# Altium PCB FlatSat Half 2.PcbDoc (part 1 of 9) (continued)
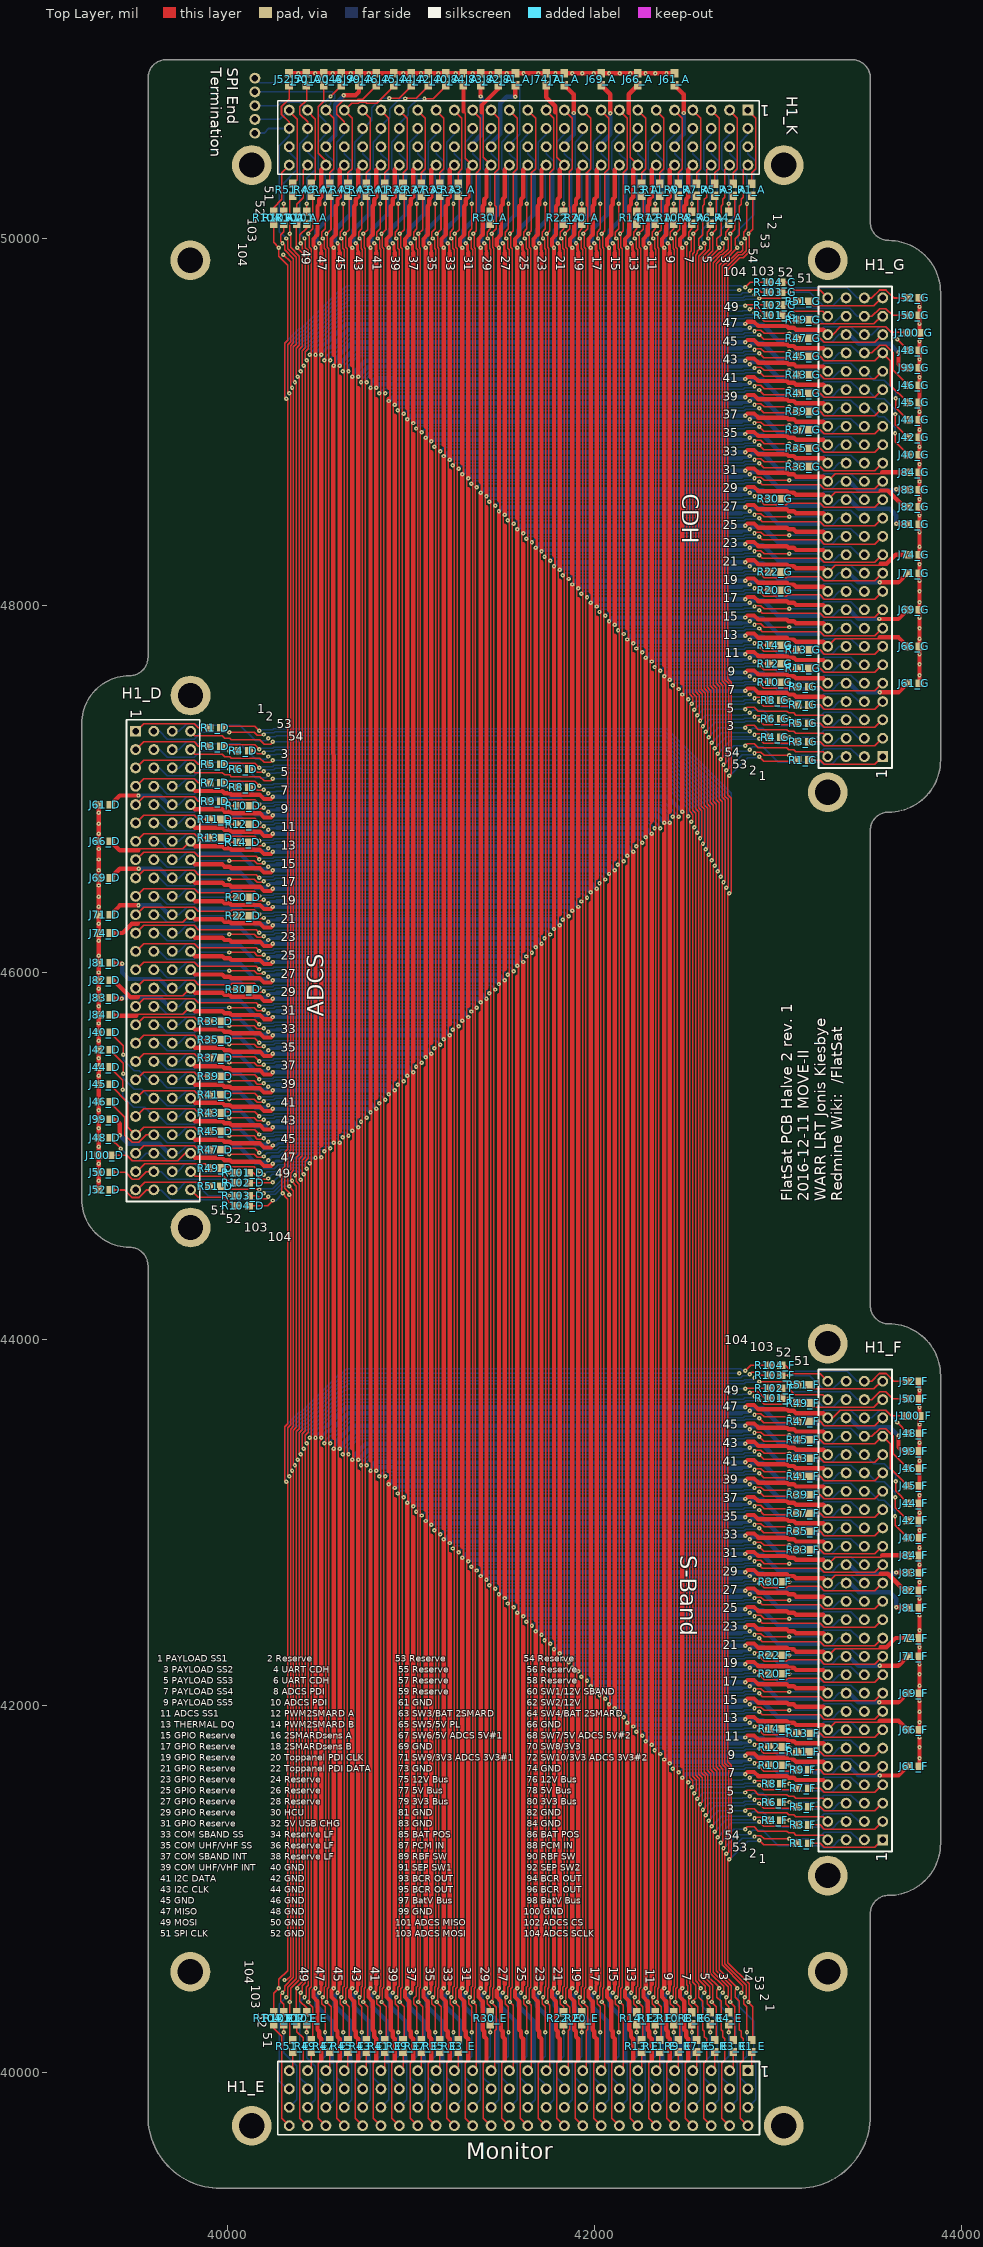
[diagram p0: Top Layer view]
## Design rules (kind name [scope] priority, off if disabled: settings) (continued)
Clearance "Schematic Clearance Constraint_924" [InNet('I2C_CLK')] p156: gap=8
Clearance "Schematic Clearance Constraint_923" [InNet('I2C_CLK')] p157: gap=8
Clearance "Schematic Clearance Constraint_922" [InNet('I2C_CLK')] p158: gap=8
Clearance "Schematic Clearance Constraint_921" [InNet('I2C_CLK')] p159: gap=8
Clearance "Schematic Clearance Constraint_920" [InNet('I2C_CLK')] p160: gap=8
Clearance "Schematic Clearance Constraint_919" [InNet('HCU')] p161: gap=8
Clearance "Schematic Clearance Constraint_918" [InNet('HCU')] p162: gap=8
Clearance "Schematic Clearance Constraint_917" [InNet('HCU')] p163: gap=8
Clearance "Schematic Clearance Constraint_916" [InNet('HCU')] p164: gap=8
Clearance "Schematic Clearance Constraint_915" [InNet('HCU')] p165: gap=8
Clearance "Schematic Clearance Constraint_914" [InNet('HCU')] p166: gap=8
Clearance "Schematic Clearance Constraint_913" [InNet('HCU')] p167: gap=8
Clearance "Schematic Clearance Constraint_912" [InNet('HCU')] p168: gap=8
Clearance "Schematic Clearance Constraint_911" [InNet('GPIO_RESERVE_15')] p169: gap=8
Clearance "Schematic Clearance Constraint_910" [InNet('GPIO_RESERVE_15')] p170: gap=8
Clearance "Schematic Clearance Constraint_909" [InNet('GPIO_RESERVE_15')] p171: gap=8
Clearance "Schematic Clearance Constraint_908" [InNet('GPIO_RESERVE_15')] p172: gap=8
Clearance "Schematic Clearance Constraint_907" [InNet('GPIO_RESERVE_15')] p173: gap=8
Clearance "Schematic Clearance Constraint_906" [InNet('GPIO_RESERVE_15')] p174: gap=8
Clearance "Schematic Clearance Constraint_905" [InNet('GPIO_RESERVE_15')] p175: gap=8
Clearance "Schematic Clearance Constraint_904" [InNet('GPIO_RESERVE_15')] p176: gap=8
Clearance "Schematic Clearance Constraint_903" [InNet('GPIO_RESERVE_14')] p177: gap=8
Clearance "Schematic Clearance Constraint_902" [InNet('GPIO_RESERVE_14')] p178: gap=8
Clearance "Schematic Clearance Constraint_901" [InNet('GPIO_RESERVE_14')] p179: gap=8
Clearance "Schematic Clearance Constraint_900" [InNet('GPIO_RESERVE_14')] p180: gap=8
Clearance "Schematic Clearance Constraint_899" [InNet('GPIO_RESERVE_14')] p181: gap=8
Clearance "Schematic Clearance Constraint_898" [InNet('GPIO_RESERVE_14')] p182: gap=8
Clearance "Schematic Clearance Constraint_897" [InNet('GPIO_RESERVE_14')] p183: gap=8
Clearance "Schematic Clearance Constraint_896" [InNet('GPIO_RESERVE_14')] p184: gap=8
Clearance "Schematic Clearance Constraint_895" [InNet('GPIO_RESERVE_13')] p185: gap=8
Clearance "Schematic Clearance Constraint_894" [InNet('GPIO_RESERVE_13')] p186: gap=8
Clearance "Schematic Clearance Constraint_893" [InNet('GPIO_RESERVE_13')] p187: gap=8
Clearance "Schematic Clearance Constraint_892" [InNet('GPIO_RESERVE_13')] p188: gap=8
Clearance "Schematic Clearance Constraint_891" [InNet('GPIO_RESERVE_13')] p189: gap=8
Clearance "Schematic Clearance Constraint_890" [InNet('GPIO_RESERVE_13')] p190: gap=8
Clearance "Schematic Clearance Constraint_889" [InNet('GPIO_RESERVE_13')] p191: gap=8
Clearance "Schematic Clearance Constraint_888" [InNet('GPIO_RESERVE_13')] p192: gap=8
Clearance "Schematic Clearance Constraint_887" [InNet('GPIO_RESERVE_12')] p193: gap=8
Clearance "Schematic Clearance Constraint_886" [InNet('GPIO_RESERVE_12')] p194: gap=8
Clearance "Schematic Clearance Constraint_885" [InNet('GPIO_RESERVE_12')] p195: gap=8
Clearance "Schematic Clearance Constraint_884" [InNet('GPIO_RESERVE_12')] p196: gap=8
Clearance "Schematic Clearance Constraint_883" [InNet('GPIO_RESERVE_12')] p197: gap=8
Clearance "Schematic Clearance Constraint_882" [InNet('GPIO_RESERVE_12')] p198: gap=8
Clearance "Schematic Clearance Constraint_881" [InNet('GPIO_RESERVE_12')] p199: gap=8
Clearance "Schematic Clearance Constraint_880" [InNet('GPIO_RESERVE_12')] p200: gap=8
Clearance "Schematic Clearance Constraint_879" [InNet('GPIO_RESERVE_11')] p201: gap=8
Clearance "Schematic Clearance Constraint_878" [InNet('GPIO_RESERVE_11')] p202: gap=8
Clearance "Schematic Clearance Constraint_877" [InNet('GPIO_RESERVE_11')] p203: gap=8
Clearance "Schematic Clearance Constraint_876" [InNet('GPIO_RESERVE_11')] p204: gap=8
Clearance "Schematic Clearance Constraint_875" [InNet('GPIO_RESERVE_11')] p205: gap=8
Clearance "Schematic Clearance Constraint_874" [InNet('GPIO_RESERVE_11')] p206: gap=8
Clearance "Schematic Clearance Constraint_873" [InNet('GPIO_RESERVE_11')] p207: gap=8
Clearance "Schematic Clearance Constraint_872" [InNet('GPIO_RESERVE_11')] p208: gap=8
Clearance "Schematic Clearance Constraint_871" [InNet('GPIO_RESERVE_10')] p209: gap=8
Clearance "Schematic Clearance Constraint_870" [InNet('GPIO_RESERVE_10')] p210: gap=8
Clearance "Schematic Clearance Constraint_869" [InNet('GPIO_RESERVE_10')] p211: gap=8
Clearance "Schematic Clearance Constraint_868" [InNet('GPIO_RESERVE_10')] p212: gap=8
Clearance "Schematic Clearance Constraint_867" [InNet('GPIO_RESERVE_10')] p213: gap=8
Clearance "Schematic Clearance Constraint_866" [InNet('GPIO_RESERVE_10')] p214: gap=8
Clearance "Schematic Clearance Constraint_865" [InNet('GPIO_RESERVE_10')] p215: gap=8
Clearance "Schematic Clearance Constraint_864" [InNet('GPIO_RESERVE_10')] p216: gap=8
Clearance "Schematic Clearance Constraint_863" [InNet('GPIO_RESERVE_9')] p217: gap=8
Clearance "Schematic Clearance Constraint_862" [InNet('GPIO_RESERVE_9')] p218: gap=8
Clearance "Schematic Clearance Constraint_861" [InNet('GPIO_RESERVE_9')] p219: gap=8
Clearance "Schematic Clearance Constraint_860" [InNet('GPIO_RESERVE_9')] p220: gap=8
Clearance "Schematic Clearance Constraint_859" [InNet('GPIO_RESERVE_9')] p221: gap=8
Clearance "Schematic Clearance Constraint_858" [InNet('GPIO_RESERVE_9')] p222: gap=8
Clearance "Schematic Clearance Constraint_857" [InNet('GPIO_RESERVE_9')] p223: gap=8
Clearance "Schematic Clearance Constraint_856" [InNet('GPIO_RESERVE_9')] p224: gap=8
Clearance "Schematic Clearance Constraint_855" [InNet('GPIO_RESERVE_8')] p225: gap=8
Clearance "Schematic Clearance Constraint_854" [InNet('GPIO_RESERVE_8')] p226: gap=8
Clearance "Schematic Clearance Constraint_853" [InNet('GPIO_RESERVE_8')] p227: gap=8
Clearance "Schematic Clearance Constraint_852" [InNet('GPIO_RESERVE_8')] p228: gap=8
Clearance "Schematic Clearance Constraint_851" [InNet('GPIO_RESERVE_8')] p229: gap=8
Clearance "Schematic Clearance Constraint_850" [InNet('GPIO_RESERVE_8')] p230: gap=8
Clearance "Schematic Clearance Constraint_849" [InNet('GPIO_RESERVE_8')] p231: gap=8
Clearance "Schematic Clearance Constraint_848" [InNet('GPIO_RESERVE_8')] p232: gap=8
Clearance "Schematic Clearance Constraint_847" [InNet('GPIO_RESERVE_7')] p233: gap=8
Clearance "Schematic Clearance Constraint_846" [InNet('GPIO_RESERVE_7')] p234: gap=8
Clearance "Schematic Clearance Constraint_845" [InNet('GPIO_RESERVE_7')] p235: gap=8
Clearance "Schematic Clearance Constraint_844" [InNet('GPIO_RESERVE_7')] p236: gap=8
Clearance "Schematic Clearance Constraint_843" [InNet('GPIO_RESERVE_7')] p237: gap=8
Clearance "Schematic Clearance Constraint_842" [InNet('GPIO_RESERVE_7')] p238: gap=8
Clearance "Schematic Clearance Constraint_841" [InNet('GPIO_RESERVE_7')] p239: gap=8
Clearance "Schematic Clearance Constraint_840" [InNet('GPIO_RESERVE_7')] p240: gap=8
Clearance "Schematic Clearance Constraint_839" [InNet('GPIO_RESERVE_6')] p241: gap=8
Clearance "Schematic Clearance Constraint_838" [InNet('GPIO_RESERVE_6')] p242: gap=8
Clearance "Schematic Clearance Constraint_837" [InNet('GPIO_RESERVE_6')] p243: gap=8
Clearance "Schematic Clearance Constraint_836" [InNet('GPIO_RESERVE_6')] p244: gap=8
Clearance "Schematic Clearance Constraint_835" [InNet('GPIO_RESERVE_6')] p245: gap=8
Clearance "Schematic Clearance Constraint_834" [InNet('GPIO_RESERVE_6')] p246: gap=8
Clearance "Schematic Clearance Constraint_833" [InNet('GPIO_RESERVE_6')] p247: gap=8
Clearance "Schematic Clearance Constraint_832" [InNet('GPIO_RESERVE_6')] p248: gap=8
Clearance "Schematic Clearance Constraint_831" [InNet('GPIO_RESERVE_5')] p249: gap=8
Clearance "Schematic Clearance Constraint_830" [InNet('GPIO_RESERVE_5')] p250: gap=8
Clearance "Schematic Clearance Constraint_829" [InNet('GPIO_RESERVE_5')] p251: gap=8
Clearance "Schematic Clearance Constraint_828" [InNet('GPIO_RESERVE_5')] p252: gap=8
Clearance "Schematic Clearance Constraint_827" [InNet('GPIO_RESERVE_5')] p253: gap=8
Clearance "Schematic Clearance Constraint_826" [InNet('GPIO_RESERVE_5')] p254: gap=8
Clearance "Schematic Clearance Constraint_825" [InNet('GPIO_RESERVE_5')] p255: gap=8
Clearance "Schematic Clearance Constraint_824" [InNet('GPIO_RESERVE_5')] p256: gap=8
Clearance "Schematic Clearance Constraint_823" [InNet('GPIO_RESERVE_4')] p257: gap=8
Clearance "Schematic Clearance Constraint_822" [InNet('GPIO_RESERVE_4')] p258: gap=8
Clearance "Schematic Clearance Constraint_821" [InNet('GPIO_RESERVE_4')] p259: gap=8
Clearance "Schematic Clearance Constraint_820" [InNet('GPIO_RESERVE_4')] p260: gap=8
Clearance "Schematic Clearance Constraint_819" [InNet('GPIO_RESERVE_4')] p261: gap=8
Clearance "Schematic Clearance Constraint_818" [InNet('GPIO_RESERVE_4')] p262: gap=8
Clearance "Schematic Clearance Constraint_817" [InNet('GPIO_RESERVE_4')] p263: gap=8
Clearance "Schematic Clearance Constraint_816" [InNet('GPIO_RESERVE_4')] p264: gap=8
Clearance "Schematic Clearance Constraint_815" [InNet('GPIO_RESERVE_3')] p265: gap=8
Clearance "Schematic Clearance Constraint_814" [InNet('GPIO_RESERVE_3')] p266: gap=8
Clearance "Schematic Clearance Constraint_813" [InNet('GPIO_RESERVE_3')] p267: gap=8
Clearance "Schematic Clearance Constraint_812" [InNet('GPIO_RESERVE_3')] p268: gap=8
Clearance "Schematic Clearance Constraint_811" [InNet('GPIO_RESERVE_3')] p269: gap=8
Clearance "Schematic Clearance Constraint_810" [InNet('GPIO_RESERVE_3')] p270: gap=8
Clearance "Schematic Clearance Constraint_809" [InNet('GPIO_RESERVE_3')] p271: gap=8
Clearance "Schematic Clearance Constraint_808" [InNet('GPIO_RESERVE_3')] p272: gap=8
Clearance "Schematic Clearance Constraint_807" [InNet('GPIO_RESERVE_2')] p273: gap=8
Clearance "Schematic Clearance Constraint_806" [InNet('GPIO_RESERVE_2')] p274: gap=8
Clearance "Schematic Clearance Constraint_805" [InNet('GPIO_RESERVE_2')] p275: gap=8
Clearance "Schematic Clearance Constraint_804" [InNet('GPIO_RESERVE_2')] p276: gap=8
Clearance "Schematic Clearance Constraint_803" [InNet('GPIO_RESERVE_2')] p277: gap=8
Clearance "Schematic Clearance Constraint_802" [InNet('GPIO_RESERVE_2')] p278: gap=8
Clearance "Schematic Clearance Constraint_801" [InNet('GPIO_RESERVE_2')] p279: gap=8
Clearance "Schematic Clearance Constraint_800" [InNet('GPIO_RESERVE_2')] p280: gap=8
Clearance "Schematic Clearance Constraint_799" [InNet('GPIO_RESERVE_1')] p281: gap=8
Clearance "Schematic Clearance Constraint_798" [InNet('GPIO_RESERVE_1')] p282: gap=8
Clearance "Schematic Clearance Constraint_797" [InNet('GPIO_RESERVE_1')] p283: gap=8
Clearance "Schematic Clearance Constraint_796" [InNet('GPIO_RESERVE_1')] p284: gap=8
Clearance "Schematic Clearance Constraint_795" [InNet('GPIO_RESERVE_1')] p285: gap=8
Clearance "Schematic Clearance Constraint_794" [InNet('GPIO_RESERVE_1')] p286: gap=8
Clearance "Schematic Clearance Constraint_793" [InNet('GPIO_RESERVE_1')] p287: gap=8
Clearance "Schematic Clearance Constraint_792" [InNet('GPIO_RESERVE_1')] p288: gap=8
Clearance "Schematic Clearance Constraint_791" [InNet('GPIO_ADCS_2')] p289: gap=8
Clearance "Schematic Clearance Constraint_790" [InNet('GPIO_ADCS_2')] p290: gap=8
Clearance "Schematic Clearance Constraint_789" [InNet('GPIO_ADCS_2')] p291: gap=8
Clearance "Schematic Clearance Constraint_788" [InNet('GPIO_ADCS_2')] p292: gap=8
Clearance "Schematic Clearance Constraint_787" [InNet('GPIO_ADCS_2')] p293: gap=8
Clearance "Schematic Clearance Constraint_786" [InNet('GPIO_ADCS_2')] p294: gap=8
Clearance "Schematic Clearance Constraint_785" [InNet('GPIO_ADCS_2')] p295: gap=8
Clearance "Schematic Clearance Constraint_784" [InNet('GPIO_ADCS_2')] p296: gap=8
Clearance "Schematic Clearance Constraint_783" [InNet('GPIO_ADCS_1')] p297: gap=8
Clearance "Schematic Clearance Constraint_782" [InNet('GPIO_ADCS_1')] p298: gap=8
Clearance "Schematic Clearance Constraint_781" [InNet('GPIO_ADCS_1')] p299: gap=8
Clearance "Schematic Clearance Constraint_780" [InNet('GPIO_ADCS_1')] p300: gap=8
Clearance "Schematic Clearance Constraint_779" [InNet('GPIO_ADCS_1')] p301: gap=8
Clearance "Schematic Clearance Constraint_778" [InNet('GPIO_ADCS_1')] p302: gap=8
Clearance "Schematic Clearance Constraint_777" [InNet('GPIO_ADCS_1')] p303: gap=8
Clearance "Schematic Clearance Constraint_776" [InNet('GPIO_ADCS_1')] p304: gap=8
Clearance "Schematic Clearance Constraint_775" [InNet('GND_19')] p305: gap=8
Clearance "Schematic Clearance Constraint_774" [InNet('GND_19')] p306: gap=8
Clearance "Schematic Clearance Constraint_773" [InNet('GND_19')] p307: gap=8
Clearance "Schematic Clearance Constraint_772" [InNet('GND_19')] p308: gap=8
Clearance "Schematic Clearance Constraint_771" [InNet('GND_19')] p309: gap=8
Clearance "Schematic Clearance Constraint_770" [InNet('GND_19')] p310: gap=8
Clearance "Schematic Clearance Constraint_769" [InNet('GND_19')] p311: gap=8
Clearance "Schematic Clearance Constraint_768" [InNet('GND_19')] p312: gap=8
Clearance "Schematic Clearance Constraint_767" [InNet('GND_18')] p313: gap=8
Clearance "Schematic Clearance Constraint_766" [InNet('GND_18')] p314: gap=8
Clearance "Schematic Clearance Constraint_765" [InNet('GND_18')] p315: gap=8
Clearance "Schematic Clearance Constraint_764" [InNet('GND_18')] p316: gap=8
Clearance "Schematic Clearance Constraint_763" [InNet('GND_18')] p317: gap=8
Clearance "Schematic Clearance Constraint_762" [InNet('GND_18')] p318: gap=8
Clearance "Schematic Clearance Constraint_761" [InNet('GND_18')] p319: gap=8
Clearance "Schematic Clearance Constraint_760" [InNet('GND_17')] p320: gap=8
Clearance "Schematic Clearance Constraint_759" [InNet('GND_18')] p321: gap=8
Clearance "Schematic Clearance Constraint_758" [InNet('GND_17')] p322: gap=8
Clearance "Schematic Clearance Constraint_757" [InNet('GND_16')] p323: gap=8
Clearance "Schematic Clearance Constraint_756" [InNet('GND_16')] p324: gap=8
Clearance "Schematic Clearance Constraint_755" [InNet('GND_16')] p325: gap=8
Clearance "Schematic Clearance Constraint_754" [InNet('GND_16')] p326: gap=8
Clearance "Schematic Clearance Constraint_753" [InNet('GND_16')] p327: gap=8
Clearance "Schematic Clearance Constraint_752" [InNet('GND_16')] p328: gap=8
Clearance "Schematic Clearance Constraint_751" [InNet('GND_16')] p329: gap=8
Clearance "Schematic Clearance Constraint_750" [InNet('GND_16')] p330: gap=8
Clearance "Schematic Clearance Constraint_749" [InNet('GND_15')] p331: gap=8
Clearance "Schematic Clearance Constraint_748" [InNet('GND_15')] p332: gap=8
Clearance "Schematic Clearance Constraint_747" [InNet('GND_15')] p333: gap=8
Clearance "Schematic Clearance Constraint_746" [InNet('GND_15')] p334: gap=8
Clearance "Schematic Clearance Constraint_745" [InNet('GND_15')] p335: gap=8
Clearance "Schematic Clearance Constraint_744" [InNet('GND_15')] p336: gap=8
Clearance "Schematic Clearance Constraint_743" [InNet('GND_15')] p337: gap=8
Clearance "Schematic Clearance Constraint_742" [InNet('GND_15')] p338: gap=8
Clearance "Schematic Clearance Constraint_741" [InNet('GND_14')] p339: gap=8
Clearance "Schematic Clearance Constraint_740" [InNet('GND_14')] p340: gap=8
Clearance "Schematic Clearance Constraint_739" [InNet('GND_14')] p341: gap=8
Clearance "Schematic Clearance Constraint_738" [InNet('GND_14')] p342: gap=8
Clearance "Schematic Clearance Constraint_737" [InNet('GND_14')] p343: gap=8
Clearance "Schematic Clearance Constraint_736" [InNet('GND_14')] p344: gap=8
Clearance "Schematic Clearance Constraint_735" [InNet('GND_14')] p345: gap=8
Clearance "Schematic Clearance Constraint_734" [InNet('GND_14')] p346: gap=8
Clearance "Schematic Clearance Constraint_733" [InNet('GND_13')] p347: gap=8
Clearance "Schematic Clearance Constraint_732" [InNet('GND_13')] p348: gap=8
Clearance "Schematic Clearance Constraint_731" [InNet('GND_13')] p349: gap=8
Clearance "Schematic Clearance Constraint_730" [InNet('GND_13')] p350: gap=8
Clearance "Schematic Clearance Constraint_729" [InNet('GND_13')] p351: gap=8
Clearance "Schematic Clearance Constraint_728" [InNet('GND_13')] p352: gap=8
Clearance "Schematic Clearance Constraint_727" [InNet('GND_13')] p353: gap=8
Clearance "Schematic Clearance Constraint_726" [InNet('GND_13')] p354: gap=8
Clearance "Schematic Clearance Constraint_725" [InNet('GND_12')] p355: gap=8
Clearance "Schematic Clearance Constraint_724" [InNet('GND_12')] p356: gap=8
Clearance "Schematic Clearance Constraint_723" [InNet('GND_12')] p357: gap=8
Clearance "Schematic Clearance Constraint_722" [InNet('GND_12')] p358: gap=8
Clearance "Schematic Clearance Constraint_721" [InNet('GND_12')] p359: gap=8
Clearance "Schematic Clearance Constraint_720" [InNet('GND_12')] p360: gap=8
Clearance "Schematic Clearance Constraint_719" [InNet('GND_12')] p361: gap=8
Clearance "Schematic Clearance Constraint_718" [InNet('GND_12')] p362: gap=8
Clearance "Schematic Clearance Constraint_717" [InNet('GND_11')] p363: gap=8
Clearance "Schematic Clearance Constraint_716" [InNet('GND_11')] p364: gap=8
Clearance "Schematic Clearance Constraint_715" [InNet('GND_11')] p365: gap=8
Clearance "Schematic Clearance Constraint_714" [InNet('GND_11')] p366: gap=8
Clearance "Schematic Clearance Constraint_713" [InNet('GND_11')] p367: gap=8
Clearance "Schematic Clearance Constraint_712" [InNet('GND_11')] p368: gap=8
Clearance "Schematic Clearance Constraint_711" [InNet('GND_11')] p369: gap=8
Clearance "Schematic Clearance Constraint_710" [InNet('GND_11')] p370: gap=8
Clearance "Schematic Clearance Constraint_709" [InNet('GND_10')] p371: gap=8
Clearance "Schematic Clearance Constraint_708" [InNet('GND_10')] p372: gap=8
Clearance "Schematic Clearance Constraint_707" [InNet('GND_10')] p373: gap=8
Clearance "Schematic Clearance Constraint_706" [InNet('GND_10')] p374: gap=8
Clearance "Schematic Clearance Constraint_705" [InNet('GND_10')] p375: gap=8
Clearance "Schematic Clearance Constraint_704" [InNet('GND_10')] p376: gap=8
Clearance "Schematic Clearance Constraint_703" [InNet('GND_10')] p377: gap=8
Clearance "Schematic Clearance Constraint_702" [InNet('GND_10')] p378: gap=8
Clearance "Schematic Clearance Constraint_701" [InNet('GND_9')] p379: gap=8
Clearance "Schematic Clearance Constraint_700" [InNet('GND_9')] p380: gap=8
Clearance "Schematic Clearance Constraint_699" [InNet('GND_9')] p381: gap=8
Clearance "Schematic Clearance Constraint_698" [InNet('GND_9')] p382: gap=8
Clearance "Schematic Clearance Constraint_697" [InNet('GND_9')] p383: gap=8
Clearance "Schematic Clearance Constraint_696" [InNet('GND_9')] p384: gap=8
Clearance "Schematic Clearance Constraint_695" [InNet('GND_9')] p385: gap=8
Clearance "Schematic Clearance Constraint_694" [InNet('GND_9')] p386: gap=8
Clearance "Schematic Clearance Constraint_693" [InNet('GND_8')] p387: gap=8
Clearance "Schematic Clearance Constraint_692" [InNet('GND_8')] p388: gap=8
Clearance "Schematic Clearance Constraint_691" [InNet('GND_8')] p389: gap=8
Clearance "Schematic Clearance Constraint_690" [InNet('GND_8')] p390: gap=8
Clearance "Schematic Clearance Constraint_689" [InNet('GND_8')] p391: gap=8
Clearance "Schematic Clearance Constraint_688" [InNet('GND_8')] p392: gap=8
Clearance "Schematic Clearance Constraint_687" [InNet('GND_8')] p393: gap=8
Clearance "Schematic Clearance Constraint_686" [InNet('GND_8')] p394: gap=8
Clearance "Schematic Clearance Constraint_685" [InNet('GND_7')] p395: gap=8
Clearance "Schematic Clearance Constraint_684" [InNet('GND_7')] p396: gap=8
Clearance "Schematic Clearance Constraint_683" [InNet('GND_7')] p397: gap=8
Clearance "Schematic Clearance Constraint_682" [InNet('GND_7')] p398: gap=8
Clearance "Schematic Clearance Constraint_681" [InNet('GND_7')] p399: gap=8
Clearance "Schematic Clearance Constraint_680" [InNet('GND_7')] p400: gap=8
Clearance "Schematic Clearance Constraint_679" [InNet('GND_7')] p401: gap=8
Clearance "Schematic Clearance Constraint_678" [InNet('GND_7')] p402: gap=8
Clearance "Schematic Clearance Constraint_677" [InNet('GND_6')] p403: gap=8
Clearance "Schematic Clearance Constraint_676" [InNet('GND_6')] p404: gap=8
Clearance "Schematic Clearance Constraint_675" [InNet('GND_6')] p405: gap=8
Clearance "Schematic Clearance Constraint_674" [InNet('GND_6')] p406: gap=8
Clearance "Schematic Clearance Constraint_673" [InNet('GND_6')] p407: gap=8
Clearance "Schematic Clearance Constraint_672" [InNet('GND_6')] p408: gap=8
Clearance "Schematic Clearance Constraint_671" [InNet('GND_6')] p409: gap=8
Clearance "Schematic Clearance Constraint_670" [InNet('GND_6')] p410: gap=8
Clearance "Schematic Clearance Constraint_669" [InNet('GND_5')] p411: gap=8
Clearance "Schematic Clearance Constraint_668" [InNet('GND_5')] p412: gap=8
Clearance "Schematic Clearance Constraint_667" [InNet('GND_5')] p413: gap=8
Clearance "Schematic Clearance Constraint_666" [InNet('GND_5')] p414: gap=8
Clearance "Schematic Clearance Constraint_665" [InNet('GND_5')] p415: gap=8
Clearance "Schematic Clearance Constraint_664" [InNet('GND_5')] p416: gap=8
Clearance "Schematic Clearance Constraint_663" [InNet('GND_5')] p417: gap=8
Clearance "Schematic Clearance Constraint_662" [InNet('GND_5')] p418: gap=8
Clearance "Schematic Clearance Constraint_661" [InNet('GND_4')] p419: gap=8
Clearance "Schematic Clearance Constraint_660" [InNet('GND_4')] p420: gap=8
Clearance "Schematic Clearance Constraint_659" [InNet('GND_4')] p421: gap=8
Clearance "Schematic Clearance Constraint_658" [InNet('GND_4')] p422: gap=8
Clearance "Schematic Clearance Constraint_657" [InNet('GND_4')] p423: gap=8
Clearance "Schematic Clearance Constraint_656" [InNet('GND_4')] p424: gap=8
Clearance "Schematic Clearance Constraint_655" [InNet('GND_4')] p425: gap=8
Clearance "Schematic Clearance Constraint_654" [InNet('GND_4')] p426: gap=8
Clearance "Schematic Clearance Constraint_653" [InNet('GND_3')] p427: gap=8
Clearance "Schematic Clearance Constraint_652" [InNet('GND_3')] p428: gap=8
Clearance "Schematic Clearance Constraint_651" [InNet('GND_3')] p429: gap=8
Clearance "Schematic Clearance Constraint_650" [InNet('GND_3')] p430: gap=8
Clearance "Schematic Clearance Constraint_649" [InNet('GND_3')] p431: gap=8
Clearance "Schematic Clearance Constraint_648" [InNet('GND_3')] p432: gap=8
Clearance "Schematic Clearance Constraint_647" [InNet('GND_3')] p433: gap=8
Clearance "Schematic Clearance Constraint_646" [InNet('GND_3')] p434: gap=8
Clearance "Schematic Clearance Constraint_645" [InNet('GND_2')] p435: gap=8
Clearance "Schematic Clearance Constraint_644" [InNet('GND_2')] p436: gap=8
Clearance "Schematic Clearance Constraint_643" [InNet('GND_2')] p437: gap=8
Clearance "Schematic Clearance Constraint_642" [InNet('GND_2')] p438: gap=8
Clearance "Schematic Clearance Constraint_641" [InNet('GND_2')] p439: gap=8
Clearance "Schematic Clearance Constraint_640" [InNet('GND_2')] p440: gap=8
Clearance "Schematic Clearance Constraint_639" [InNet('GND_2')] p441: gap=8
Clearance "Schematic Clearance Constraint_638" [InNet('GND_2')] p442: gap=8
Clearance "Schematic Clearance Constraint_637" [InNet('GND_1')] p443: gap=8
Clearance "Schematic Clearance Constraint_636" [InNet('GND_1')] p444: gap=8
Clearance "Schematic Clearance Constraint_635" [InNet('GND_1')] p445: gap=8
Clearance "Schematic Clearance Constraint_634" [InNet('GND_1')] p446: gap=8
Clearance "Schematic Clearance Constraint_633" [InNet('GND_1')] p447: gap=8
Clearance "Schematic Clearance Constraint_632" [InNet('GND_1')] p448: gap=8
Clearance "Schematic Clearance Constraint_631" [InNet('GND_1')] p449: gap=8
Clearance "Schematic Clearance Constraint_630" [InNet('GND_1')] p450: gap=8
Clearance "Schematic Clearance Constraint_629" [InNet('COM_UHF/VHF_SS')] p451: gap=8
Clearance "Schematic Clearance Constraint_628" [InNet('COM_UHF/VHF_SS')] p452: gap=8
Clearance "Schematic Clearance Constraint_627" [InNet('COM_UHF/VHF_SS')] p453: gap=8
Clearance "Schematic Clearance Constraint_626" [InNet('COM_UHF/VHF_SS')] p454: gap=8
Clearance "Schematic Clearance Constraint_625" [InNet('COM_UHF/VHF_SS')] p455: gap=8
Clearance "Schematic Clearance Constraint_624" [InNet('COM_UHF/VHF_SS')] p456: gap=8
Clearance "Schematic Clearance Constraint_623" [InNet('COM_UHF/VHF_SS')] p457: gap=8
Clearance "Schematic Clearance Constraint_622" [InNet('COM_UHF/VHF_SS')] p458: gap=8
Clearance "Schematic Clearance Constraint_621" [InNet('COM_UHF/VHF_INT')] p459: gap=8
Clearance "Schematic Clearance Constraint_620" [InNet('COM_UHF/VHF_INT')] p460: gap=8
Clearance "Schematic Clearance Constraint_619" [InNet('COM_UHF/VHF_INT')] p461: gap=8
Clearance "Schematic Clearance Constraint_618" [InNet('COM_UHF/VHF_INT')] p462: gap=8
Clearance "Schematic Clearance Constraint_617" [InNet('COM_UHF/VHF_INT')] p463: gap=8
Clearance "Schematic Clearance Constraint_616" [InNet('COM_UHF/VHF_INT')] p464: gap=8
Clearance "Schematic Clearance Constraint_615" [InNet('COM_UHF/VHF_INT')] p465: gap=8
Clearance "Schematic Clearance Constraint_614" [InNet('COM_UHF/VHF_INT')] p466: gap=8
Clearance "Schematic Clearance Constraint_613" [InNet('COM_SBAND_SS')] p467: gap=8
Clearance "Schematic Clearance Constraint_612" [InNet('COM_SBAND_SS')] p468: gap=8
Clearance "Schematic Clearance Constraint_611" [InNet('COM_SBAND_SS')] p469: gap=8
Clearance "Schematic Clearance Constraint_610" [InNet('COM_SBAND_SS')] p470: gap=8
Clearance "Schematic Clearance Constraint_609" [InNet('COM_SBAND_SS')] p471: gap=8
Clearance "Schematic Clearance Constraint_608" [InNet('COM_SBAND_SS')] p472: gap=8
Clearance "Schematic Clearance Constraint_607" [InNet('COM_SBAND_SS')] p473: gap=8
Clearance "Schematic Clearance Constraint_606" [InNet('COM_SBAND_SS')] p474: gap=8
Clearance "Schematic Clearance Constraint_605" [InNet('COM_SBAND_INT')] p475: gap=8
Clearance "Schematic Clearance Constraint_604" [InNet('COM_SBAND_INT')] p476: gap=8
Clearance "Schematic Clearance Constraint_603" [InNet('COM_SBAND_INT')] p477: gap=8
Clearance "Schematic Clearance Constraint_602" [InNet('COM_SBAND_INT')] p478: gap=8
Clearance "Schematic Clearance Constraint_601" [InNet('UART_CDH_TX')] p479: gap=8
Clearance "Schematic Clearance Constraint_600" [InNet('UART_CDH_TX')] p480: gap=8
Clearance "Schematic Clearance Constraint_599" [InNet('UART_CDH_TX')] p481: gap=8
Clearance "Schematic Clearance Constraint_598" [InNet('UART_CDH_TX')] p482: gap=8
Clearance "Schematic Clearance Constraint_597" [InNet('UART_CDH_TX')] p483: gap=8
Clearance "Schematic Clearance Constraint_596" [InNet('UART_CDH_TX')] p484: gap=8
Clearance "Schematic Clearance Constraint_595" [InNet('UART_CDH_TX')] p485: gap=8
Clearance "Schematic Clearance Constraint_594" [InNet('UART_CDH_TX')] p486: gap=8
Clearance "Schematic Clearance Constraint_593" [InNet('UART_CDH_RX')] p487: gap=8
Clearance "Schematic Clearance Constraint_592" [InNet('UART_CDH_RX')] p488: gap=8
Clearance "Schematic Clearance Constraint_591" [InNet('UART_CDH_RX')] p489: gap=8
Clearance "Schematic Clearance Constraint_590" [InNet('UART_CDH_RX')] p490: gap=8
Clearance "Schematic Clearance Constraint_589" [InNet('UART_CDH_RX')] p491: gap=8
Clearance "Schematic Clearance Constraint_588" [InNet('UART_CDH_RX')] p492: gap=8
Clearance "Schematic Clearance Constraint_587" [InNet('UART_CDH_RX')] p493: gap=8
Clearance "Schematic Clearance Constraint_586" [InNet('UART_CDH_RX')] p494: gap=8
Clearance "Schematic Clearance Constraint_585" [InNet('THERMAL_DQ')] p495: gap=8
Clearance "Schematic Clearance Constraint_584" [InNet('THERMAL_DQ')] p496: gap=8
Clearance "Schematic Clearance Constraint_583" [InNet('THERMAL_DQ')] p497: gap=8
Clearance "Schematic Clearance Constraint_582" [InNet('THERMAL_DQ')] p498: gap=8
Clearance "Schematic Clearance Constraint_581" [InNet('THERMAL_DQ')] p499: gap=8
Clearance "Schematic Clearance Constraint_580" [InNet('THERMAL_DQ')] p500: gap=8
Clearance "Schematic Clearance Constraint_579" [InNet('THERMAL_DQ')] p501: gap=8
Clearance "Schematic Clearance Constraint_578" [InNet('THERMAL_DQ')] p502: gap=8
Clearance "Schematic Clearance Constraint_577" [InNet('SW10_3V3#2_ADCS')] p503: gap=8
Clearance "Schematic Clearance Constraint_576" [InNet('SW10_3V3#2_ADCS')] p504: gap=8
Clearance "Schematic Clearance Constraint_575" [InNet('SW10_3V3#2_ADCS')] p505: gap=8
Clearance "Schematic Clearance Constraint_574" [InNet('SW10_3V3#2_ADCS')] p506: gap=8
Clearance "Schematic Clearance Constraint_573" [InNet('SW10_3V3#2_ADCS')] p507: gap=8
Clearance "Schematic Clearance Constraint_572" [InNet('SW10_3V3#2_ADCS')] p508: gap=8
Clearance "Schematic Clearance Constraint_571" [InNet('SW10_3V3#2_ADCS')] p509: gap=8
Clearance "Schematic Clearance Constraint_570" [InNet('SW10_3V3#2_ADCS')] p510: gap=8
Clearance "Schematic Clearance Constraint_569" [InNet('SW9_3V3#1_ADCS')] p511: gap=8
Clearance "Schematic Clearance Constraint_568" [InNet('SW9_3V3#1_ADCS')] p512: gap=8
Clearance "Schematic Clearance Constraint_567" [InNet('SW9_3V3#1_ADCS')] p513: gap=8
Clearance "Schematic Clearance Constraint_566" [InNet('SW9_3V3#1_ADCS')] p514: gap=8
Clearance "Schematic Clearance Constraint_565" [InNet('SW9_3V3#1_ADCS')] p515: gap=8
Clearance "Schematic Clearance Constraint_564" [InNet('SW9_3V3#1_ADCS')] p516: gap=8
Clearance "Schematic Clearance Constraint_563" [InNet('SW9_3V3#1_ADCS')] p517: gap=8
Clearance "Schematic Clearance Constraint_562" [InNet('SW9_3V3#1_ADCS')] p518: gap=8
Clearance "Schematic Clearance Constraint_561" [InNet('SW8_3V3_THM')] p519: gap=8
Clearance "Schematic Clearance Constraint_560" [InNet('SW8_3V3_THM')] p520: gap=8
Clearance "Schematic Clearance Constraint_559" [InNet('SW8_3V3_THM')] p521: gap=8
Clearance "Schematic Clearance Constraint_558" [InNet('SW8_3V3_THM')] p522: gap=8
Clearance "Schematic Clearance Constraint_557" [InNet('SW8_3V3_THM')] p523: gap=8
Clearance "Schematic Clearance Constraint_556" [InNet('SW8_3V3_THM')] p524: gap=8
Clearance "Schematic Clearance Constraint_555" [InNet('SW8_3V3_THM')] p525: gap=8
Clearance "Schematic Clearance Constraint_554" [InNet('SW8_3V3_THM')] p526: gap=8
Clearance "Schematic Clearance Constraint_553" [InNet('SW7_5V#2_ADCS')] p527: gap=8
Clearance "Schematic Clearance Constraint_552" [InNet('SW7_5V#2_ADCS')] p528: gap=8
Clearance "Schematic Clearance Constraint_551" [InNet('SW7_5V#2_ADCS')] p529: gap=8
Clearance "Schematic Clearance Constraint_550" [InNet('SW7_5V#2_ADCS')] p530: gap=8
Clearance "Schematic Clearance Constraint_549" [InNet('SW7_5V#2_ADCS')] p531: gap=8
Clearance "Schematic Clearance Constraint_548" [InNet('SW7_5V#2_ADCS')] p532: gap=8
Clearance "Schematic Clearance Constraint_547" [InNet('SW7_5V#2_ADCS')] p533: gap=8
Clearance "Schematic Clearance Constraint_546" [InNet('SW7_5V#2_ADCS')] p534: gap=8
Clearance "Schematic Clearance Constraint_545" [InNet('SW6_5V#1_ADCS')] p535: gap=8
Clearance "Schematic Clearance Constraint_544" [InNet('SW6_5V#1_ADCS')] p536: gap=8
Clearance "Schematic Clearance Constraint_543" [InNet('SW6_5V#1_ADCS')] p537: gap=8
Clearance "Schematic Clearance Constraint_542" [InNet('SW6_5V#1_ADCS')] p538: gap=8
Clearance "Schematic Clearance Constraint_541" [InNet('SW6_5V#1_ADCS')] p539: gap=8
Clearance "Schematic Clearance Constraint_540" [InNet('SW6_5V#1_ADCS')] p540: gap=8
Clearance "Schematic Clearance Constraint_539" [InNet('SW6_5V#1_ADCS')] p541: gap=8
Clearance "Schematic Clearance Constraint_538" [InNet('SW6_5V#1_ADCS')] p542: gap=8
Clearance "Schematic Clearance Constraint_537" [InNet('SW5_5V_PL')] p543: gap=8
Clearance "Schematic Clearance Constraint_536" [InNet('SW5_5V_PL')] p544: gap=8
Clearance "Schematic Clearance Constraint_535" [InNet('SW5_5V_PL')] p545: gap=8
Clearance "Schematic Clearance Constraint_534" [InNet('SW5_5V_PL')] p546: gap=8
Clearance "Schematic Clearance Constraint_533" [InNet('SW5_5V_PL')] p547: gap=8
Clearance "Schematic Clearance Constraint_532" [InNet('SW5_5V_PL')] p548: gap=8
Clearance "Schematic Clearance Constraint_531" [InNet('SW5_5V_PL')] p549: gap=8
Clearance "Schematic Clearance Constraint_530" [InNet('SW5_5V_PL')] p550: gap=8
Clearance "Schematic Clearance Constraint_529" [InNet('SW4_BAT_2SMARD')] p551: gap=8
Clearance "Schematic Clearance Constraint_528" [InNet('SW4_BAT_2SMARD')] p552: gap=8
Clearance "Schematic Clearance Constraint_527" [InNet('SW4_BAT_2SMARD')] p553: gap=8
Clearance "Schematic Clearance Constraint_526" [InNet('SW4_BAT_2SMARD')] p554: gap=8
Clearance "Schematic Clearance Constraint_525" [InNet('SW4_BAT_2SMARD')] p555: gap=8
Clearance "Schematic Clearance Constraint_524" [InNet('SW4_BAT_2SMARD')] p556: gap=8
Clearance "Schematic Clearance Constraint_523" [InNet('SW4_BAT_2SMARD')] p557: gap=8
Clearance "Schematic Clearance Constraint_522" [InNet('SW4_BAT_2SMARD')] p558: gap=8
Clearance "Schematic Clearance Constraint_521" [InNet('SW3_BAT_2SMARD')] p559: gap=8
Clearance "Schematic Clearance Constraint_520" [InNet('SW3_BAT_2SMARD')] p560: gap=8
Clearance "Schematic Clearance Constraint_519" [InNet('SW3_BAT_2SMARD')] p561: gap=8
Clearance "Schematic Clearance Constraint_518" [InNet('SW3_BAT_2SMARD')] p562: gap=8
Clearance "Schematic Clearance Constraint_517" [InNet('SW3_BAT_2SMARD')] p563: gap=8
Clearance "Schematic Clearance Constraint_516" [InNet('SW3_BAT_2SMARD')] p564: gap=8
Clearance "Schematic Clearance Constraint_515" [InNet('SW3_BAT_2SMARD')] p565: gap=8
Clearance "Schematic Clearance Constraint_514" [InNet('SW3_BAT_2SMARD')] p566: gap=8
Clearance "Schematic Clearance Constraint_513" [InNet('SW2_12V')] p567: gap=8
Clearance "Schematic Clearance Constraint_512" [InNet('SW2_12V')] p568: gap=8
Clearance "Schematic Clearance Constraint_511" [InNet('SW2_12V')] p569: gap=8
Clearance "Schematic Clearance Constraint_510" [InNet('SW2_12V')] p570: gap=8
Clearance "Schematic Clearance Constraint_509" [InNet('SW2_12V')] p571: gap=8
Clearance "Schematic Clearance Constraint_508" [InNet('SW2_12V')] p572: gap=8
Clearance "Schematic Clearance Constraint_507" [InNet('SW2_12V')] p573: gap=8
Clearance "Schematic Clearance Constraint_506" [InNet('SW2_12V')] p574: gap=8
Clearance "Schematic Clearance Constraint_505" [InNet('SW1_12V_SBAND')] p575: gap=8
Clearance "Schematic Clearance Constraint_504" [InNet('SW1_12V_SBAND')] p576: gap=8
Clearance "Schematic Clearance Constraint_503" [InNet('SW1_12V_SBAND')] p577: gap=8
Clearance "Schematic Clearance Constraint_502" [InNet('SW1_12V_SBAND')] p578: gap=8
Clearance "Schematic Clearance Constraint_501" [InNet('SW1_12V_SBAND')] p579: gap=8
Clearance "Schematic Clearance Constraint_500" [InNet('SW1_12V_SBAND')] p580: gap=8
Clearance "Schematic Clearance Constraint_499" [InNet('SW1_12V_SBAND')] p581: gap=8
Clearance "Schematic Clearance Constraint_498" [InNet('SW1_12V_SBAND')] p582: gap=8
Clearance "Schematic Clearance Constraint_497" [InNet('SPI_CLK')] p583: gap=8
Clearance "Schematic Clearance Constraint_496" [InNet('SPI_CLK')] p584: gap=8
Clearance "Schematic Clearance Constraint_495" [InNet('SPI_CLK')] p585: gap=8
Clearance "Schematic Clearance Constraint_494" [InNet('SPI_CLK')] p586: gap=8
Clearance "Schematic Clearance Constraint_493" [InNet('SPI_CLK')] p587: gap=8
Clearance "Schematic Clearance Constraint_492" [InNet('SPI_CLK')] p588: gap=8
Clearance "Schematic Clearance Constraint_491" [InNet('SPI_CLK')] p589: gap=8
Clearance "Schematic Clearance Constraint_490" [InNet('SPI_CLK')] p590: gap=8
Clearance "Schematic Clearance Constraint_489" [InNet('SEP_SW2')] p591: gap=8
Clearance "Schematic Clearance Constraint_488" [InNet('SEP_SW2')] p592: gap=8
Clearance "Schematic Clearance Constraint_487" [InNet('SEP_SW2')] p593: gap=8